# KiCad board FPGA_DevBoard.kicad_pcb (continued)
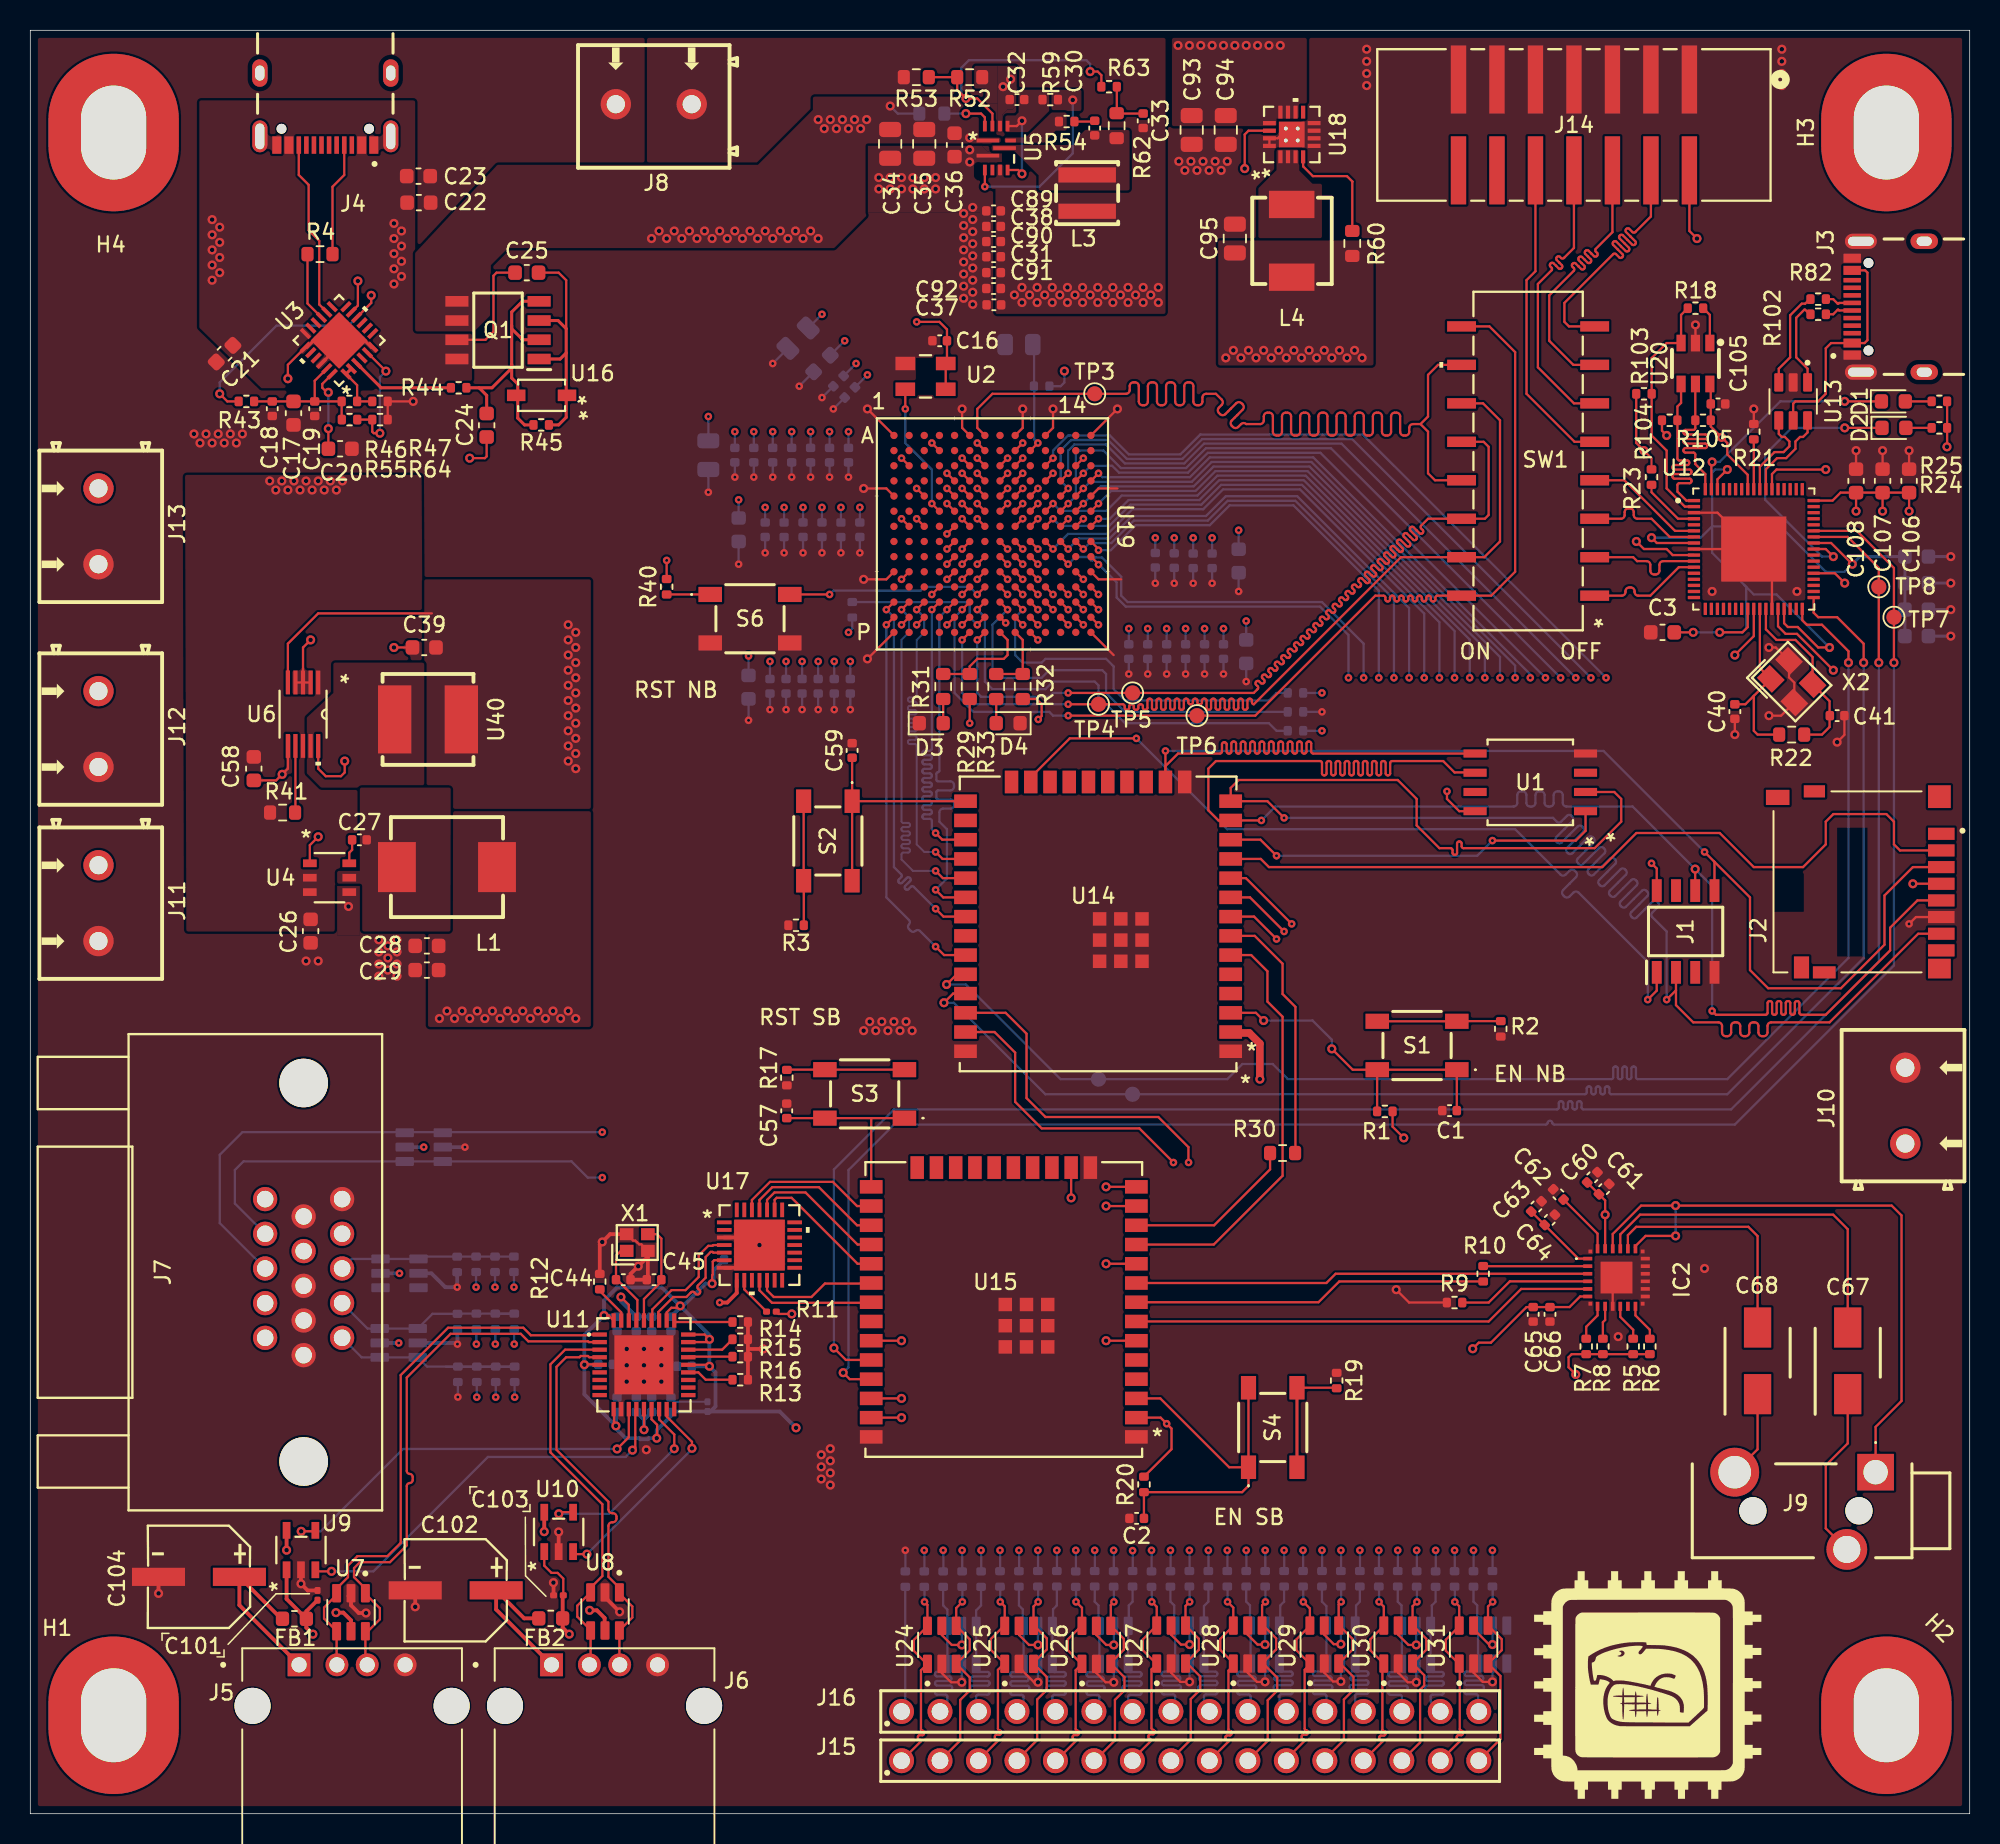
[diagram p0: board, top side]
## Routing (per net, layer and track width the routed paths; a pad name or vN(x,y) marks a point on that pad's centre or on a via; arc(x,y) is an arc through that point) (continued)
/FPGA_UNIT_B/GPIO_25: length 107.6
  Top signal w0.15: U19.H12 v1(68.5,83.5)
  Top PWR w0.15: v1(80.25,17.39) 80.25,23.49 82.13,25.37 82.13,26.82 89.66,34.35 89.62,34.38 89.62,34.82 89.93,35.13 90.37,35.13 90.4,35.09 91,35.7 91,44.23 91.18,44.4 91.18,44.84 91,45.01 91,46.16 arc(90.97,46.23) 90.9,46.26 arc(90.83,46.29) 90.8,46.36 90.8,46.46 arc(90.83,46.53) 90.9,46.56 91.1,46.56 arc(91.17,46.59) 91.2,46.66 91.2,46.76 arc(91.17,46.83) 91.1,46.86 90.9,46.86 arc(90.83,46.89) 90.8,46.96 90.8,47.06 arc(90.83,47.13) 90.9,47.16 91.1,47.16 arc(91.17,47.19) 91.2,47.26 91.2,47.36 arc(91.17,47.43) 91.1,47.46 90.9,47.46 arc(90.83,47.49) 90.8,47.56 90.8,47.66 arc(90.83,47.73) 90.9,47.76 91.1,47.76 arc(91.17,47.79) 91.2,47.86 91.2,47.96 arc(91.17,48.03) 91.1,48.06 90.9,48.06 arc(90.83,48.09) 90.8,48.16 90.8,48.26 arc(90.83,48.33) 90.9,48.36 91.1,48.36 arc(91.17,48.39) 91.2,48.46 91.2,48.56 arc(91.17,48.63) 91.1,48.66 90.9,48.66 arc(90.83,48.69) 90.8,48.76 90.8,48.86 arc(90.83,48.93) 90.9,48.96 91.1,48.96 arc(91.17,48.99) 91.2,49.06 91.2,49.16 arc(91.17,49.23) 91.1,49.26 90.9,49.26 arc(90.83,49.29) 90.8,49.36 90.8,49.46 arc(90.83,49.53) 90.9,49.56 91.1,49.56 arc(91.17,49.59) 91.2,49.66 91.2,49.76 arc(91.17,49.83) 91.1,49.86 90.9,49.86 arc(90.83,49.89) 90.8,49.96 90.8,50.06 arc(90.83,50.13) 90.9,50.16 91.1,50.16 arc(91.17,50.19) 91.2,50.26 91.2,50.36 arc(91.17,50.43) 91.1,50.46 90.9,50.46 arc(90.83,50.49) 90.8,50.56 90.8,50.66 arc(90.83,50.73) 90.9,50.76 91.1,50.76 arc(91.17,50.79) 91.2,50.86 91.2,50.96 arc(91.17,51.03) 91.1,51.06 90.9,51.06 arc(90.83,51.09) 90.8,51.16 90.8,51.26 arc(90.83,51.33) 90.9,51.36 91.1,51.36 arc(91.17,51.39) 91.2,51.46 91.2,51.56 arc(91.17,51.63) 91.1,51.66 90.9,51.66 arc(90.83,51.69) 90.8,51.76 90.8,51.86 arc(90.83,51.93) 90.9,51.96 91.1,51.96 arc(91.17,51.99) 91.2,52.06 91.2,52.16 arc(91.17,52.23) 91.1,52.26 90.9,52.26 arc(90.83,52.29) 90.8,52.36 90.8,52.46 arc(90.83,52.53) 90.9,52.56 91.1,52.56 arc(91.17,52.59) 91.2,52.66 91.2,52.76 arc(91.17,52.83) 91.1,52.86 90.9,52.86 arc(90.83,52.89) 90.8,52.96 90.8,53.06 arc(90.83,53.13) 90.9,53.16 91.1,53.16 arc(91.17,53.19) 91.2,53.26 91.2,53.36 arc(91.17,53.43) 91.1,53.46 90.9,53.46 arc(90.83,53.49) 90.8,53.56 90.8,53.66 arc(90.83,53.73) 90.9,53.76 91.1,53.76 arc(91.17,53.79) 91.2,53.86 91.2,53.96 arc(91.17,54.03) 91.1,54.06 90.9,54.06 arc(90.83,54.09) 90.8,54.16 90.8,54.26 arc(90.83,54.33) 90.9,54.36 91.1,54.36 arc(91.17,54.39) 91.2,54.46 91.2,54.56 arc(91.17,54.63) 91.1,54.66 90.9,54.66 arc(90.83,54.69) 90.8,54.76 90.8,54.86 arc(90.83,54.93) 90.9,54.96 91.1,54.96 arc(91.17,54.99) 91.2,55.06 91.2,55.16 arc(91.17,55.23) 91.1,55.26 90.9,55.26 arc(90.83,55.29) 90.8,55.36 90.8,55.46 arc(90.83,55.53) 90.9,55.56 91.1,55.56 arc(91.17,55.59) 91.2,55.66 91.2,55.76 arc(91.17,55.83) 91.1,55.86 90.9,55.86 arc(90.83,55.89) 90.8,55.96 90.8,56.06 arc(90.83,56.13) 90.9,56.16 91.1,56.16 arc(91.17,56.19) 91.2,56.26 91.2,56.36 arc(91.17,56.43) 91.1,56.46 90.9,56.46 arc(90.83,56.49) 90.8,56.56 90.8,56.66 arc(90.83,56.73) 90.9,56.76 91.1,56.76 arc(91.17,56.79) 91.2,56.86 91.2,56.96 arc(91.17,57.03) 91.1,57.06 90.9,57.06 arc(90.83,57.09) 90.8,57.16 90.8,57.26 arc(90.83,57.33) 90.9,57.36 arc(90.97,57.39) 91,57.46 91,74.95
  Bottom signal w0.15: v1(80.25,17.39) 80.26,17.38 80.26,16.12 ; v1(68.5,83.5) 69.2,84.2 71.23,84.2 72.71,85.68 77.59,85.68 78.9,86.99 83.62,86.99 91,79.6 v1(91,75)
/FPGA_UNIT_B/GPIO_26: length 108.6
  Top signal w0.15: U19.G11 v1(67.5,85.5)
  Top PWR w0.15: 93.01,74.95 93.01,45.28 arc(93.04,45.21) 93.11,45.18 arc(93.18,45.15) 93.21,45.08 93.21,44.98 arc(93.18,44.91) 93.11,44.88 92.91,44.88 arc(92.84,44.85) 92.81,44.78 92.81,44.68 arc(92.84,44.61) 92.91,44.58 93.11,44.58 arc(93.18,44.55) 93.21,44.48 93.21,44.38 arc(93.18,44.31) 93.11,44.28 92.91,44.28 arc(92.84,44.25) 92.81,44.18 92.81,44.08 arc(92.84,44.01) 92.91,43.98 93.11,43.98 arc(93.18,43.95) 93.21,43.88 93.21,43.78 arc(93.18,43.71) 93.11,43.68 92.91,43.68 arc(92.84,43.65) 92.81,43.58 92.81,43.48 arc(92.84,43.41) 92.91,43.38 93.11,43.38 arc(93.18,43.35) 93.21,43.28 93.21,43.18 arc(93.18,43.11) 93.11,43.08 92.91,43.08 arc(92.84,43.05) 92.81,42.98 92.81,42.88 arc(92.84,42.81) 92.91,42.78 93.11,42.78 arc(93.18,42.75) 93.21,42.68 93.21,42.58 arc(93.18,42.51) 93.11,42.48 92.91,42.48 arc(92.84,42.45) 92.81,42.38 92.81,42.28 arc(92.84,42.21) 92.91,42.18 93.11,42.18 arc(93.18,42.15) 93.21,42.08 93.21,41.98 arc(93.18,41.91) 93.11,41.88 92.91,41.88 arc(92.84,41.85) 92.81,41.78 92.81,41.68 arc(92.84,41.61) 92.91,41.58 93.11,41.58 arc(93.18,41.55) 93.21,41.48 93.21,41.38 arc(93.18,41.31) 93.11,41.28 92.91,41.28 arc(92.84,41.25) 92.81,41.18 92.81,41.08 arc(92.84,41.01) 92.91,40.98 93.11,40.98 arc(93.18,40.95) 93.21,40.88 93.21,40.78 arc(93.18,40.71) 93.11,40.68 92.91,40.68 arc(92.84,40.65) 92.81,40.58 92.81,40.48 arc(92.84,40.41) 92.91,40.38 93.11,40.38 arc(93.18,40.35) 93.21,40.28 93.21,40.18 arc(93.18,40.11) 93.11,40.08 92.91,40.08 arc(92.84,40.05) 92.81,39.98 92.81,39.88 arc(92.84,39.81) 92.91,39.78 93.11,39.78 arc(93.18,39.75) 93.21,39.68 93.21,39.58 arc(93.18,39.51) 93.11,39.48 92.91,39.48 arc(92.84,39.45) 92.81,39.38 92.81,39.28 arc(92.84,39.21) 92.91,39.18 93.11,39.18 arc(93.18,39.15) 93.21,39.08 93.21,38.98 arc(93.18,38.91) 93.11,38.88 92.91,38.88 arc(92.84,38.85) 92.81,38.78 92.81,38.68 arc(92.84,38.61) 92.91,38.58 93.11,38.58 arc(93.18,38.55) 93.21,38.48 93.21,38.38 arc(93.18,38.31) 93.11,38.28 92.91,38.28 arc(92.84,38.25) 92.81,38.18 92.81,38.08 arc(92.84,38.01) 92.91,37.98 93.11,37.98 arc(93.18,37.95) 93.21,37.88 93.21,37.78 arc(93.18,37.71) 93.11,37.68 92.91,37.68 arc(92.84,37.65) 92.81,37.58 92.81,37.48 arc(92.84,37.41) 92.91,37.38 93.11,37.38 arc(93.18,37.35) 93.21,37.28 93.21,37.18 arc(93.18,37.11) 93.11,37.08 92.91,37.08 arc(92.84,37.05) 92.81,36.98 92.81,36.88 arc(92.84,36.81) 92.91,36.78 93.11,36.78 arc(93.18,36.75) 93.21,36.68 93.21,36.58 arc(93.18,36.51) 93.11,36.48 92.91,36.48 arc(92.84,36.45) 92.81,36.38 92.81,36.28 arc(92.84,36.21) 92.91,36.18 93.11,36.18 arc(93.18,36.15) 93.21,36.08 93.21,35.98 arc(93.18,35.91) 93.11,35.88 92.91,35.88 arc(92.84,35.85) 92.81,35.78 92.81,35.68 arc(92.84,35.61) 92.91,35.58 93.11,35.58 arc(93.18,35.55) 93.21,35.48 93.21,35.38 arc(93.18,35.31) 93.11,35.28 92.91,35.28 arc(92.84,35.25) 92.81,35.18 92.81,35.08 arc(92.84,35.01) 92.91,34.98 arc(92.98,34.95) 93.01,34.88 93.01,34.6 82.75,24.34 v1(82.75,17.39)
  Bottom signal w0.15: v1(93,75) 93,78.66 83.93,87.74 78.59,87.74 77.28,86.43 72.61,86.43 71.2,85.02 67.98,85.02 v1(67.5,85.5) ; v1(82.75,17.39) 82.76,17.38 82.76,16.12
/FPGA_UNIT_B/GPIO_27: length 108.6
  Top signal w0.15: U19.F11 v1(67.5,86.5)
  Top PWR w0.15: 95.01,74.95 95.01,44.47 arc(95.04,44.4) 95.11,44.37 arc(95.18,44.34) 95.21,44.27 95.21,44.17 arc(95.18,44.1) 95.11,44.07 94.91,44.07 arc(94.84,44.04) 94.81,43.97 94.81,43.87 arc(94.84,43.8) 94.91,43.77 95.11,43.77 arc(95.18,43.74) 95.21,43.67 95.21,43.57 arc(95.18,43.5) 95.11,43.47 94.91,43.47 arc(94.84,43.44) 94.81,43.37 94.81,43.27 arc(94.84,43.2) 94.91,43.17 95.11,43.17 arc(95.18,43.14) 95.21,43.07 95.21,42.97 arc(95.18,42.9) 95.11,42.87 94.91,42.87 arc(94.84,42.84) 94.81,42.77 94.81,42.67 arc(94.84,42.6) 94.91,42.57 95.11,42.57 arc(95.18,42.54) 95.21,42.47 95.21,42.37 arc(95.18,42.3) 95.11,42.27 94.91,42.27 arc(94.84,42.24) 94.81,42.17 94.81,42.07 arc(94.84,42) 94.91,41.97 95.11,41.97 arc(95.18,41.94) 95.21,41.87 95.21,41.77 arc(95.18,41.7) 95.11,41.67 94.91,41.67 arc(94.84,41.64) 94.81,41.57 94.81,41.47 arc(94.84,41.4) 94.91,41.37 95.11,41.37 arc(95.18,41.34) 95.21,41.27 95.21,41.17 arc(95.18,41.1) 95.11,41.07 94.91,41.07 arc(94.84,41.04) 94.81,40.97 94.81,40.87 arc(94.84,40.8) 94.91,40.77 95.11,40.77 arc(95.18,40.74) 95.21,40.67 95.21,40.57 arc(95.18,40.5) 95.11,40.47 94.91,40.47 arc(94.84,40.44) 94.81,40.37 94.81,40.27 arc(94.84,40.2) 94.91,40.17 95.11,40.17 arc(95.18,40.14) 95.21,40.07 95.21,39.97 arc(95.18,39.9) 95.11,39.87 94.91,39.87 arc(94.84,39.84) 94.81,39.77 94.81,39.67 arc(94.84,39.6) 94.91,39.57 95.11,39.57 arc(95.18,39.54) 95.21,39.47 95.21,39.37 arc(95.18,39.3) 95.11,39.27 94.91,39.27 arc(94.84,39.24) 94.81,39.17 94.81,39.07 arc(94.84,39) 94.91,38.97 95.11,38.97 arc(95.18,38.94) 95.21,38.87 95.21,38.77 arc(95.18,38.7) 95.11,38.67 94.91,38.67 arc(94.84,38.64) 94.81,38.57 94.81,38.47 arc(94.84,38.4) 94.91,38.37 95.11,38.37 arc(95.18,38.34) 95.21,38.27 95.21,38.17 arc(95.18,38.1) 95.11,38.07 94.91,38.07 arc(94.84,38.04) 94.81,37.97 94.81,37.87 arc(94.84,37.8) 94.91,37.77 95.11,37.77 arc(95.18,37.74) 95.21,37.67 95.21,37.57 arc(95.18,37.5) 95.11,37.47 94.91,37.47 arc(94.84,37.44) 94.81,37.37 94.81,37.27 arc(94.84,37.2) 94.91,37.17 95.11,37.17 arc(95.18,37.14) 95.21,37.07 95.21,36.97 arc(95.18,36.9) 95.11,36.87 94.91,36.87 arc(94.84,36.84) 94.81,36.77 94.81,36.67 arc(94.84,36.6) 94.91,36.57 95.11,36.57 arc(95.18,36.54) 95.21,36.47 95.21,36.37 arc(95.18,36.3) 95.11,36.27 94.91,36.27 arc(94.84,36.24) 94.81,36.17 94.81,36.07 arc(94.84,36) 94.91,35.97 95.11,35.97 arc(95.18,35.94) 95.21,35.87 95.21,35.77 arc(95.18,35.7) 95.11,35.67 94.91,35.67 arc(94.84,35.64) 94.81,35.57 94.81,35.47 arc(94.84,35.4) 94.91,35.37 arc(94.98,35.34) 95.01,35.27 95.01,34.04 85.25,24.28 v1(85.25,17.39)
  Bottom signal w0.15: v1(67.5,86.5) 67.98,86.02 71.02,86.02 72.03,87.03 77.03,87.03 78.34,88.34 84.18,88.34 95,77.52 v1(95,75) ; 85.26,16.11 85.26,17.38 v1(85.25,17.39)
/FPGA_UNIT_B/GPIO_28: length 108.9
  Top signal w0.15: U19.F13 v1(69.5,86.5)
  Top PWR w0.15: 97.01,75.03 97.01,57.91 97.23,57.7 97.23,57.3 97.01,57.09 97.01,43.17 arc(97.04,43.1) 97.11,43.07 arc(97.18,43.04) 97.21,42.97 97.21,42.87 arc(97.18,42.8) 97.11,42.77 96.91,42.77 arc(96.84,42.74) 96.81,42.67 96.81,42.57 arc(96.84,42.5) 96.91,42.47 97.11,42.47 arc(97.18,42.44) 97.21,42.37 97.21,42.27 arc(97.18,42.2) 97.11,42.17 96.91,42.17 arc(96.84,42.14) 96.81,42.07 96.81,41.97 arc(96.84,41.9) 96.91,41.87 97.11,41.87 arc(97.18,41.84) 97.21,41.77 97.21,41.67 arc(97.18,41.6) 97.11,41.57 96.91,41.57 arc(96.84,41.54) 96.81,41.47 96.81,41.37 arc(96.84,41.3) 96.91,41.27 97.11,41.27 arc(97.18,41.24) 97.21,41.17 97.21,41.07 arc(97.18,41) 97.11,40.97 96.91,40.97 arc(96.84,40.94) 96.81,40.87 96.81,40.77 arc(96.84,40.7) 96.91,40.67 97.11,40.67 arc(97.18,40.64) 97.21,40.57 97.21,40.47 arc(97.18,40.4) 97.11,40.37 96.91,40.37 arc(96.84,40.34) 96.81,40.27 96.81,40.17 arc(96.84,40.1) 96.91,40.07 97.11,40.07 arc(97.18,40.04) 97.21,39.97 97.21,39.87 arc(97.18,39.8) 97.11,39.77 96.91,39.77 arc(96.84,39.74) 96.81,39.67 96.81,39.57 arc(96.84,39.5) 96.91,39.47 97.11,39.47 arc(97.18,39.44) 97.21,39.37 97.21,39.27 arc(97.18,39.2) 97.11,39.17 96.91,39.17 arc(96.84,39.14) 96.81,39.07 96.81,38.97 arc(96.84,38.9) 96.91,38.87 97.11,38.87 arc(97.18,38.84) 97.21,38.77 97.21,38.67 arc(97.18,38.6) 97.11,38.57 96.91,38.57 arc(96.84,38.54) 96.81,38.47 96.81,38.37 arc(96.84,38.3) 96.91,38.27 97.11,38.27 arc(97.18,38.24) 97.21,38.17 97.21,38.07 arc(97.18,38) 97.11,37.97 96.91,37.97 arc(96.84,37.94) 96.81,37.87 96.81,37.77 arc(96.84,37.7) 96.91,37.67 97.11,37.67 arc(97.18,37.64) 97.21,37.57 97.21,37.47 arc(97.18,37.4) 97.11,37.37 96.91,37.37 arc(96.84,37.34) 96.81,37.27 96.81,37.17 arc(96.84,37.1) 96.91,37.07 97.11,37.07 arc(97.18,37.04) 97.21,36.97 97.21,36.87 arc(97.18,36.8) 97.11,36.77 96.91,36.77 arc(96.84,36.74) 96.81,36.67 96.81,36.57 arc(96.84,36.5) 96.91,36.47 97.11,36.47 arc(97.18,36.44) 97.21,36.37 97.21,36.27 arc(97.18,36.2) 97.11,36.17 96.91,36.17 arc(96.84,36.14) 96.81,36.07 96.81,35.97 arc(96.84,35.9) 96.91,35.87 97.11,35.87 arc(97.18,35.84) 97.21,35.77 97.21,35.67 arc(97.18,35.6) 97.11,35.57 96.91,35.57 arc(96.84,35.54) 96.81,35.47 96.81,35.37 arc(96.84,35.3) 96.91,35.27 97.11,35.27 arc(97.18,35.24) 97.21,35.17 97.21,35.07 arc(97.18,35) 97.11,34.97 96.91,34.97 arc(96.84,34.94) 96.81,34.87 96.81,34.77 arc(96.84,34.7) 96.91,34.67 97.11,34.67 arc(97.18,34.64) 97.21,34.57 97.21,34.47 arc(97.18,34.4) 97.11,34.37 96.91,34.37 arc(96.84,34.34) 96.81,34.27 96.81,34.17 arc(96.84,34.1) 96.91,34.07 97.11,34.07 arc(97.18,34.04) 97.21,33.97 97.21,33.87 arc(97.18,33.8) 97.11,33.77 96.91,33.77 arc(96.84,33.74) 96.81,33.67 96.81,33.57 arc(96.84,33.5) 96.91,33.47 arc(96.98,33.44) 97.01,33.37 97.01,33.21 95.22,31.41 94.85,31.41 94.6,31.16 94.6,30.8 87.75,23.95 v1(87.75,17.39)
  Bottom signal w0.15: v1(69.5,86.5) 70.64,87.64 76.78,87.64 78.09,88.95 84.43,88.95 97,76.37 v1(97,75) ; 87.76,16.11 87.76,17.38 v1(87.75,17.39)
/FPGA_UNIT_B/GPIO_29: length 108.8
  Top signal w0.15: U19.D14 v1(70.5,88.5)
  Top PWR w0.15: 99.01,74.98 99.01,42.7 arc(98.98,42.63) 98.91,42.6 arc(98.84,42.57) 98.81,42.5 98.81,42.4 arc(98.84,42.33) 98.91,42.3 99.11,42.3 arc(99.18,42.27) 99.21,42.2 99.21,42.1 arc(99.18,42.03) 99.11,42 98.91,42 arc(98.84,41.97) 98.81,41.9 98.81,41.8 arc(98.84,41.73) 98.91,41.7 99.11,41.7 arc(99.18,41.67) 99.21,41.6 99.21,41.5 arc(99.18,41.43) 99.11,41.4 98.91,41.4 arc(98.84,41.37) 98.81,41.3 98.81,41.2 arc(98.84,41.13) 98.91,41.1 99.11,41.1 arc(99.18,41.07) 99.21,41 99.21,40.9 arc(99.18,40.83) 99.11,40.8 98.91,40.8 arc(98.84,40.77) 98.81,40.7 98.81,40.6 arc(98.84,40.53) 98.91,40.5 99.11,40.5 arc(99.18,40.47) 99.21,40.4 99.21,40.3 arc(99.18,40.23) 99.11,40.2 98.91,40.2 arc(98.84,40.17) 98.81,40.1 98.81,40 arc(98.84,39.93) 98.91,39.9 99.11,39.9 arc(99.18,39.87) 99.21,39.8 99.21,39.7 arc(99.18,39.63) 99.11,39.6 98.91,39.6 arc(98.84,39.57) 98.81,39.5 98.81,39.4 arc(98.84,39.33) 98.91,39.3 99.11,39.3 arc(99.18,39.27) 99.21,39.2 99.21,39.1 arc(99.18,39.03) 99.11,39 98.91,39 arc(98.84,38.97) 98.81,38.9 98.81,38.8 arc(98.84,38.73) 98.91,38.7 99.11,38.7 arc(99.18,38.67) 99.21,38.6 99.21,38.5 arc(99.18,38.43) 99.11,38.4 98.91,38.4 arc(98.84,38.37) 98.81,38.3 98.81,38.2 arc(98.84,38.13) 98.91,38.1 99.11,38.1 arc(99.18,38.07) 99.21,38 99.21,37.9 arc(99.18,37.83) 99.11,37.8 98.91,37.8 arc(98.84,37.77) 98.81,37.7 98.81,37.6 arc(98.84,37.53) 98.91,37.5 99.11,37.5 arc(99.18,37.47) 99.21,37.4 99.21,37.3 arc(99.18,37.23) 99.11,37.2 98.91,37.2 arc(98.84,37.17) 98.81,37.1 98.81,37 arc(98.84,36.93) 98.91,36.9 99.11,36.9 arc(99.18,36.87) 99.21,36.8 99.21,36.7 arc(99.18,36.63) 99.11,36.6 98.91,36.6 arc(98.84,36.57) 98.81,36.5 98.81,36.4 arc(98.84,36.33) 98.91,36.3 99.11,36.3 arc(99.18,36.27) 99.21,36.2 99.21,36.1 arc(99.18,36.03) 99.11,36 98.91,36 arc(98.84,35.97) 98.81,35.9 98.81,35.8 arc(98.84,35.73) 98.91,35.7 99.11,35.7 arc(99.18,35.67) 99.21,35.6 99.21,35.5 arc(99.18,35.43) 99.11,35.4 98.91,35.4 arc(98.84,35.37) 98.81,35.3 98.81,35.2 arc(98.84,35.13) 98.91,35.1 99.11,35.1 arc(99.18,35.07) 99.21,35 99.21,34.9 arc(99.18,34.83) 99.11,34.8 98.91,34.8 arc(98.84,34.77) 98.81,34.7 98.81,34.6 arc(98.84,34.53) 98.91,34.5 99.11,34.5 arc(99.18,34.47) 99.21,34.4 99.21,34.3 arc(99.18,34.23) 99.11,34.2 98.91,34.2 arc(98.84,34.17) 98.81,34.1 98.81,34 arc(98.84,33.93) 98.91,33.9 99.11,33.9 arc(99.18,33.87) 99.21,33.8 99.21,33.7 arc(99.18,33.63) 99.11,33.6 98.91,33.6 arc(98.84,33.57) 98.81,33.5 98.81,33.4 arc(98.84,33.33) 98.91,33.3 99.11,33.3 arc(99.18,33.27) 99.21,33.2 99.21,33.1 arc(99.18,33.03) 99.11,33 98.91,33 arc(98.84,32.97) 98.81,32.9 98.81,32.8 arc(98.84,32.73) 98.91,32.7 arc(98.98,32.67) 99.01,32.6 99.01,32.38 90.25,23.61 v1(90.25,17.39)
  Bottom signal w0.15: v1(70.5,88.5) 70.76,88.24 76.53,88.24 77.84,89.55 84.68,89.55 99,75.23 v1(99,75) ; 90.26,16.11 90.26,17.38 v1(90.25,17.39)
/FPGA_UNIT_B/GPIO_30: length 108.6
  Top signal w0.15: U19.F12 v1(68.5,86.5)
  Top PWR w0.15: v1(92.75,17.39) 92.75,23.29 101.01,31.55 101.01,31.88 arc(100.98,31.95) 100.91,31.98 arc(100.84,32.01) 100.81,32.08 100.81,32.18 arc(100.84,32.25) 100.91,32.28 101.11,32.28 arc(101.18,32.31) 101.21,32.38 101.21,32.48 arc(101.18,32.55) 101.11,32.58 100.91,32.58 arc(100.84,32.61) 100.81,32.68 100.81,32.78 arc(100.84,32.85) 100.91,32.88 101.11,32.88 arc(101.18,32.91) 101.21,32.98 101.21,33.08 arc(101.18,33.15) 101.11,33.18 100.91,33.18 arc(100.84,33.21) 100.81,33.28 100.81,33.38 arc(100.84,33.45) 100.91,33.48 101.11,33.48 arc(101.18,33.51) 101.21,33.58 101.21,33.68 arc(101.18,33.75) 101.11,33.78 100.91,33.78 arc(100.84,33.81) 100.81,33.88 100.81,33.98 arc(100.84,34.05) 100.91,34.08 101.11,34.08 arc(101.18,34.11) 101.21,34.18 101.21,34.28 arc(101.18,34.35) 101.11,34.38 100.91,34.38 arc(100.84,34.41) 100.81,34.48 100.81,34.58 arc(100.84,34.65) 100.91,34.68 arc(100.98,34.71) 101.01,34.78 101.01,74.98
  Bottom signal w0.15: v1(92.75,17.39) 92.76,17.38 92.76,16.11 ; v1(101,75) 85.85,90.15 77.59,90.15 76.28,88.85 71.98,88.85 70.82,90 69.25,90 69,89.75 69,87 v1(68.5,86.5)
/FPGA_UNIT_B/GPIO_31: length 108.7
  Top signal w0.15: U19.E12 v1(68.5,87.5)
  Top PWR w0.15: v1(95.25,17.39) 95.25,22.95 101.47,29.18 101.47,29.22 101.78,29.53 101.82,29.53 103.02,30.72 103.02,56.34 103.35,56.68 103.35,57.08 103.02,57.41 103.02,74.95
  Bottom signal w0.15: v1(95.25,17.39) 95.26,17.38 95.26,16.11 ; v1(68.5,87.5) 68,88 68,90 68.7,90.7 71.12,90.7 72.37,89.45 76.03,89.45 77.34,90.76 87.24,90.76 v1(103,75)
/FPGA_UNIT_B/GPIO_OUT_0: length 13.6
  Top signal w0.15: U24.1 58.78,9.47 58.78,5.58 arc(58.81,5.51) 58.88,5.48 arc(58.95,5.45) 58.98,5.38 58.98,5.28 arc(58.95,5.21) 58.88,5.18 58.68,5.18 arc(58.61,5.15) 58.58,5.08 58.58,4.98 arc(58.61,4.91) 58.68,4.88 arc(58.75,4.85) 58.78,4.78 J15.1 ; U24.6 59.21,13.8 v1(59.02,13.99) ; 59.2,9.86 58.31,10.75 58.31,11.48 59.2,12.37
  Bottom signal w0.15: R70.2 59.02,14.96 v1(59.02,13.99)
/FPGA_UNIT_B/GPIO_OUT_1: length 13.6
  Top signal w0.15: J15.2 61.37,4.83 61.37,7.51 62,8.14 62,9 U24.3 62,10.78 62,11.51 U24.4 61.11,13.58 v1(61.52,13.99)
  Bottom signal w0.15: v1(61.52,13.99) 61.52,14.96 R71.2
/FPGA_UNIT_B/GPIO_OUT_2: length 13.6
  Top signal w0.15: v1(64.02,13.99) 64.31,13.7 U25.6 ; 64.29,9.93 63.86,9.5 63.86,5.62 arc(63.89,5.54) 63.96,5.52 arc(64.03,5.49) 64.06,5.42 64.06,5.32 arc(64.03,5.24) 63.96,5.22 63.76,5.22 arc(63.69,5.19) 63.66,5.12 63.66,5.02 arc(63.69,4.94) 63.76,4.92 arc(63.83,4.89) 63.86,4.82 62.58,3.53 ; 64.29,9.92 63.4,10.81 63.4,11.54 64.29,12.43
  Bottom signal w0.15: R72.2 64.02,14.97 v1(64.02,13.99)
/FPGA_UNIT_B/GPIO_OUT_3: length 13.6
  Top signal w0.15: 66.2,9.96 67.09,10.85 67.09,11.58 66.2,12.47 ; 65.12,3.53 66.45,4.87 66.45,7.54 67.08,8.17 67.08,9.03 66.19,9.93 ; v1(66.52,13.99) 66.21,13.68 U25.4
  Bottom signal w0.15: v1(66.52,13.99) 66.52,14.98 R73.2
/FPGA_UNIT_B/GPIO_OUT_4: length 13.6
  Top signal w0.15: 69.37,12.41 68.48,11.52 68.48,10.79 69.37,9.9 ; v1(69.02,13.99) 69.41,13.6 U26.6 ; 69.42,9.9 68.99,9.47 68.99,5.59 arc(69.02,5.52) 69.09,5.49 arc(69.16,5.46) 69.19,5.39 69.19,5.29 arc(69.16,5.22) 69.09,5.19 68.89,5.19 arc(68.82,5.16) 68.79,5.09 68.79,4.99 arc(68.82,4.92) 68.89,4.89 arc(68.96,4.86) 68.99,4.79 67.71,3.51
  Bottom signal w0.15: R74.2 69.02,14.96 v1(69.02,13.99)
/FPGA_UNIT_B/GPIO_OUT_5: length 13.5
  Top signal w0.15: U26.4 71.31,13.78 v1(71.52,13.99) ; 71.32,9.9 72.21,9.01 72.21,8.15 71.58,7.52 71.58,4.84 70.25,3.51 ; 71.28,9.93 72.17,10.82 72.17,11.55 71.28,12.44
  Bottom signal w0.15: R75.2 71.52,14.97 v1(71.52,13.99)
/FPGA_UNIT_B/GPIO_OUT_6: length 13.6
  Top signal w0.15: U27.6 74.34,13.66 v1(74.02,13.99) ; 74.32,12.41 73.43,11.52 73.43,10.79 74.32,9.9 ; 72.71,3.56 74,4.84 arc(73.97,4.91) 73.9,4.94 arc(73.83,4.97) 73.8,5.04 73.8,5.14 arc(73.83,5.21) 73.9,5.24 74.1,5.24 arc(74.17,5.27) 74.2,5.34 74.2,5.44 arc(74.17,5.51) 74.1,5.54 arc(74.03,5.57) 74,5.64 74,9.52 74.42,9.95
  Bottom signal w0.15: v1(74.02,13.99) 74.02,14.96 R76.2
/FPGA_UNIT_B/GPIO_OUT_7: length 13.5
  Top signal w0.15: 75.25,3.56 76.59,4.89 76.59,7.57 77.22,8.2 77.22,9.06 76.33,9.95 ; v1(76.52,13.99) 76.24,13.71 U27.4 ; 76.23,9.93 77.12,10.82 77.12,11.55 76.23,12.44
  Bottom signal w0.15: v1(76.52,13.99) 76.52,14.98 R77.2
/FPGA_UNIT_B/GPIO_OUT_8: length 13.6
  Top signal w0.15: 79.5,9.87 79.08,9.45 79.08,5.56 arc(79.11,5.49) 79.18,5.46 arc(79.25,5.43) 79.28,5.36 79.28,5.26 arc(79.25,5.19) 79.18,5.16 78.98,5.16 arc(78.91,5.13) 78.88,5.06 78.88,4.96 arc(78.91,4.89) 78.98,4.86 arc(79.05,4.83) 79.08,4.76 77.79,3.48 ; U28.6 79.4,13.61 v1(79.02,13.99) ; 79.43,9.92 78.54,10.81 78.54,11.54 79.43,12.43
  Bottom signal w0.15: R78.2 79.02,14.98 v1(79.02,13.99)
/FPGA_UNIT_B/GPIO_OUT_9: length 13.5
  Top signal w0.15: 80.33,3.48 81.67,4.82 81.67,7.49 82.3,8.12 82.3,8.98 81.41,9.87 ; v1(81.52,13.99) 81.3,13.77 U28.4 ; 81.34,9.96 82.23,10.85 82.23,11.58 81.34,12.47
  Bottom signal w0.15: R79.2 81.52,14.98 v1(81.52,13.99)
/FPGA_UNIT_B/GPIO_OUT_10: length 13.7
  Top signal w0.15: 84.46,12.41 83.57,11.52 83.57,10.79 84.46,9.9 ; v1(84.02,13.99) 84.45,13.55 U29.6 ; 84.53,9.93 84.11,9.5 84.11,5.62 arc(84.14,5.54) 84.21,5.52 arc(84.28,5.49) 84.31,5.42 84.31,5.32 arc(84.28,5.24) 84.21,5.22 84.01,5.22 arc(83.94,5.19) 83.91,5.12 83.91,5.02 arc(83.94,4.94) 84.01,4.92 arc(84.08,4.89) 84.11,4.82 82.82,3.53
  Bottom signal w0.15: v1(84.02,13.99) 84.02,14.98 R80.2
/FPGA_UNIT_B/GPIO_OUT_11: length 13.5
  Top signal w0.15: 86.37,12.44 87.26,11.55 87.26,10.82 86.37,9.93 ; U29.4 86.35,13.82 v1(86.52,13.99) ; 85.36,3.53 86.7,4.87 86.7,7.54 87.33,8.17 87.33,9.03 86.43,9.93
  Bottom signal w0.15: v1(86.52,13.99) 86.52,14.98 R81.2
/FPGA_UNIT_B/GPIO_OUT_12: length 13.5
  Top signal w0.15: U30.1 89.24,9.82 89.24,5.56 arc(89.27,5.49) 89.34,5.46 arc(89.41,5.43) 89.44,5.36 89.44,5.26 arc(89.41,5.19) 89.34,5.16 89.14,5.16 arc(89.07,5.13) 89.04,5.06 89.04,4.96 arc(89.07,4.89) 89.14,4.86 arc(89.21,4.83) 89.24,4.76 J15.13 ; 89.34,12.41 88.44,11.52 88.44,10.79 89.34,9.9 ; v1(89.02,13.99) 89.33,13.68 U30.6
  Bottom signal w0.15: R42.2 89.02,14.98 v1(89.02,13.99)
/FPGA_UNIT_B/GPIO_OUT_13: length 13.3
  Top signal w0.15: U30.4 91.23,13.7 v1(91.52,13.99) ; J15.14 91.73,4.71 91.73,8.19 92,8.46 92,9.14 U30.3 ; 91.24,12.44 92.13,11.55 92.13,10.82 91.24,9.93